# KiCad board MiniCamel.kicad_pcb (continued)
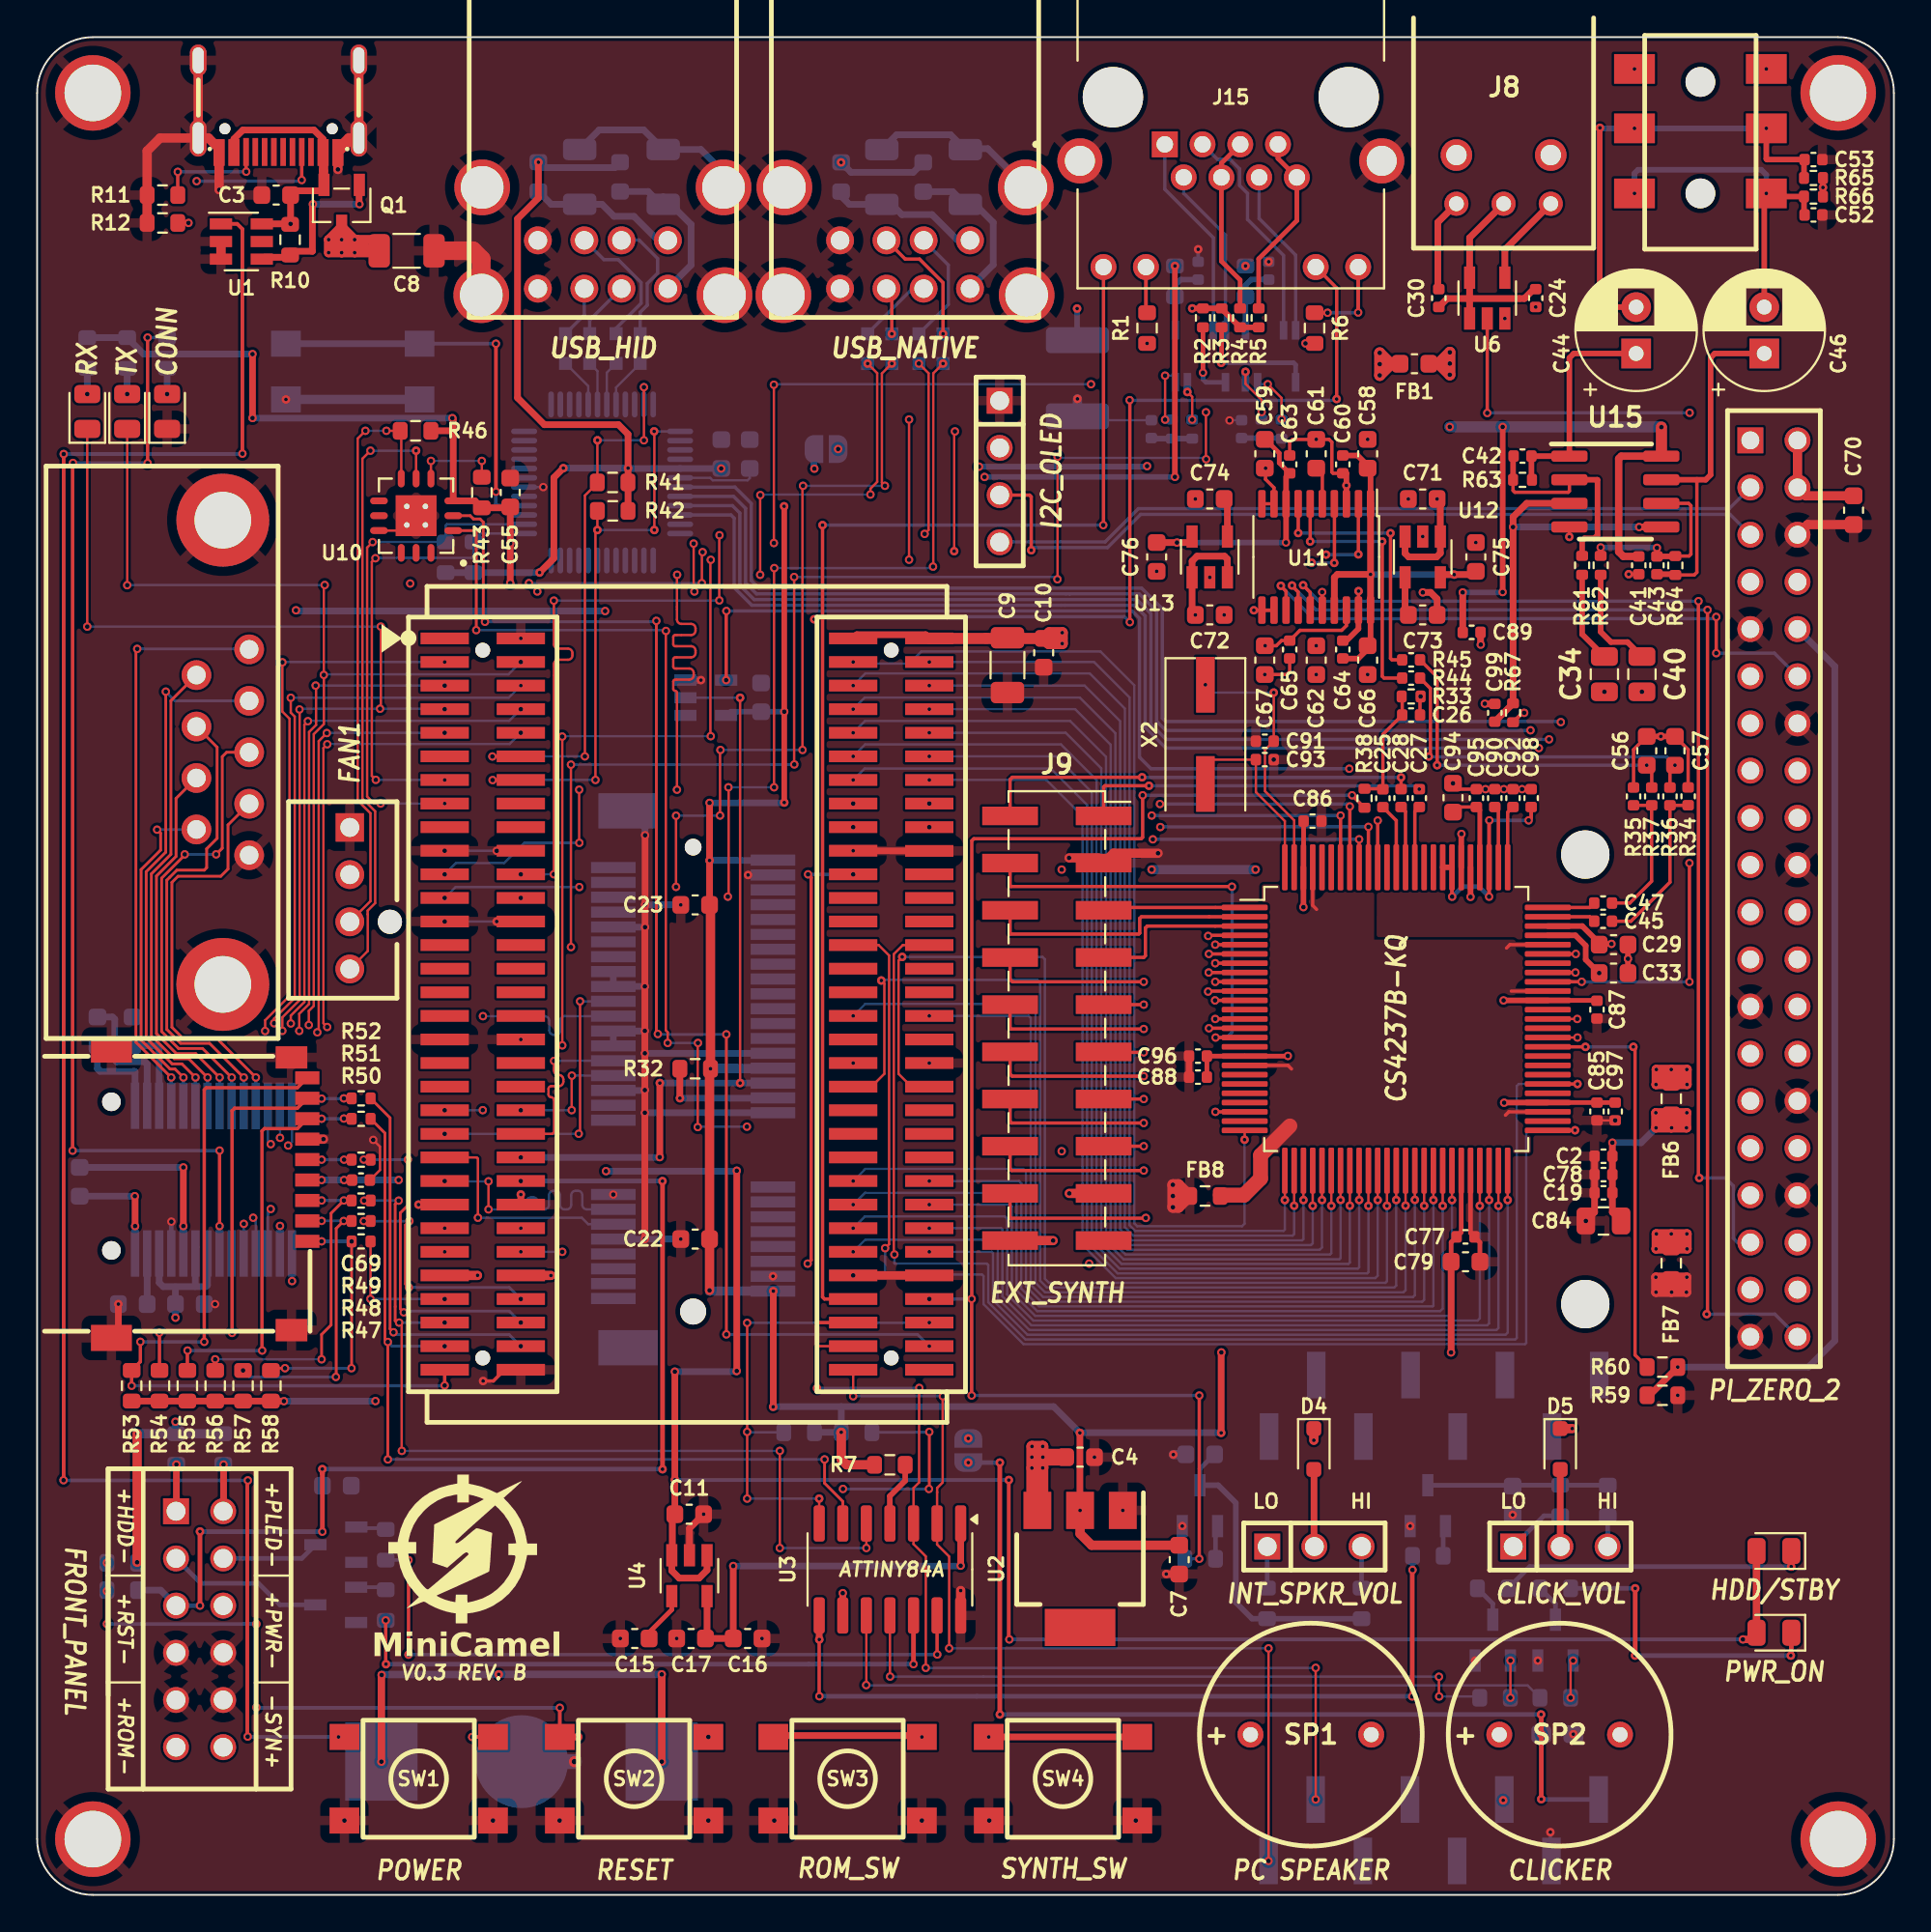
[diagram p0: board, top side]
## Footprints (pads in the part's own frame, mm; a bottom-side part is the same pattern mirrored in y, then rotated)
AMPHENOL_RJHSE-5384
  round 3.25 hole 3.25 unplated: (-6.35,0) (6.35,0)
  rect 1.398x1.398 hole 0.89: 1(3.556,2.54)
  round 1.398 hole 0.89: 2(2.54,4.318) 3(1.524,2.54) 4(0.508,4.318) 5(-0.508,2.54) 6(-1.524,4.318) 7(-2.54,2.54) 8(-3.556,4.318) 9(6.858,9.144) 10(4.572,9.144) 11(-4.572,9.144) 12(-6.858,9.144)
  round 2.43 hole 1.62: S1(-8.128,3.429) S2(8.128,3.429)
BT_MY-1220-03
  rect 3.9x4.2 smd: 1(-7.55,0) 1(7.55,0)
  round 5 smd: 2(0,0)
C_0402_1005Metric
  rrect 0.56x0.62 smd: 1(-0.48,0) 2(0.48,0)
C_0402_1005Metric_no_outline
  rrect 0.56x0.62 smd: 1(-0.48,0) 2(0.48,0)
C_0603_1608Metric
  rrect 0.9x0.95 smd: 1(-0.775,0) 2(0.775,0)
C_0603_1608Metric_no_outline
  rrect 0.9x0.95 smd: 1(-0.775,0) 2(0.775,0)
C_0603_1608Metric_Pad1.08x0.95mm_HandSolder
  rrect 1.075x0.95 smd: 1(-0.863,0) 2(0.863,0)
C_0805_2012Metric
  rrect 1x1.45 smd: 1(-0.95,0) 2(0.95,0)
C_1206_3216Metric
  rrect 1.15x1.8 smd: 1(-1.475,0) 2(1.475,0)
C_1812_4532Metric
  rrect 1.4x3.4 smd: 1(-2.05,0) 2(2.05,0)
CP_Radial_D6.3mm_P2.50mm
  rect 1.6x1.6 hole 0.8: 1(0,0)
  round 1.6 hole 0.8: 2(2.5,0)
D_0805_2012Metric
  rrect 0.975x1.4 smd: 1(-0.938,0) 2(0.938,0)
D_SOD-323F
  rrect 0.8x0.8 smd: 1(-1.1,0) 2(1.1,0)
Fuse_0603_1608Metric_no_outline
  rrect 0.875x0.95 smd: 1(-0.787,0) 2(0.787,0)
H_440_HOLE
  round 4.064 hole 3.048: 1(0,0)
J_AUDIO35_C95463
  round 1.6 hole 1.6 unplated: (0,2.5) (0,-3.5)
  rect 2.2x1.6 smd: R(-3.55,0) R(3.55,0) S(-3.55,3.2) S(3.55,3.2) T(-3.55,-3.5) T(3.55,-3.5)
J_CONN_RPI
  rect 1.397x1.397 hole 0.965: 1(-1.27,24.13)
  round 1.397 hole 0.965: 2(1.27,24.13) 3(-1.27,21.59) 4(1.27,21.59) 5(-1.27,19.05) 6(1.27,19.05) 7(-1.27,16.51) 8(1.27,16.51) 9(-1.27,13.97) 10(1.27,13.97) 11(-1.27,11.43) 12(1.27,11.43) 13(-1.27,8.89) 14(1.27,8.89) 15(-1.27,6.35) 16(1.27,6.35) 17(-1.27,3.81) 18(1.27,3.81) 19(-1.27,1.27) 20(1.27,1.27) 21(-1.27,-1.27) 22(1.27,-1.27) 23(-1.27,-3.81) 24(1.27,-3.81) 25(-1.27,-6.35) 26(1.27,-6.35) 27(-1.27,-8.89) 28(1.27,-8.89) 29(-1.27,-11.43) 30(1.27,-11.43) 31(-1.27,-13.97) 32(1.27,-13.97) 33(-1.27,-16.51) 34(1.27,-16.51) 35(-1.27,-19.05) 36(1.27,-19.05) 37(-1.27,-21.59) 38(1.27,-21.59) 39(-1.27,-24.13) 40(1.27,-24.13)
J_MINI_PCIE
  round 1.4 hole 1.4 unplated: (0,0)
  round 2.6 hole 2.6 unplated: (0.4,48.05) (24.6,48.05)
  round 0.9 hole 0.9 unplated: (25,0)
  rect 0.6x2.4 smd: 1(0.7,-4.3) 2(1.1,4.3) 3(1.5,-4.3) 4(1.9,4.3) 5(2.3,-4.3) 6(2.7,4.3) 7(3.1,-4.3) 8(3.5,4.3) 9(3.9,-4.3) 10(4.3,4.3) 11(4.7,-4.3) 12(5.1,4.3) 13(5.5,-4.3) 14(5.9,4.3) 15(6.3,-4.3) 16(6.7,4.3) 17(10.3,-4.3) 18(10.7,4.3) 19(11.1,-4.3) 20(11.5,4.3) 21(11.9,-4.3) 22(12.3,4.3) 23(12.7,-4.3) 24(13.1,4.3) 25(13.5,-4.3) 26(13.9,4.3) 27(14.3,-4.3) 28(14.7,4.3) 29(15.1,-4.3) 30(15.5,4.3) 31(15.9,-4.3) 32(16.3,4.3) 33(16.7,-4.3) 34(17.1,4.3) 35(17.5,-4.3) 36(17.9,4.3) 37(18.3,-4.3) 38(18.7,4.3) 39(19.1,-4.3) 40(19.5,4.3) 41(19.9,-4.3) 42(20.3,4.3) 43(20.7,-4.3) 44(21.1,4.3) 45(21.5,-4.3) 46(21.9,4.3) 47(22.3,-4.3) 48(22.7,4.3) 49(23.1,-4.3) 50(23.5,4.3) 51(23.9,-4.3) 52(24.3,4.3)
  rect 1.9x3.2 smd: S1(-1.95,-3.5) S2(26.95,-3.5)
J_MOLEX_47053-1000
  round 1.3 hole 1.3 unplated: (-5.08,-2.16)
  rect 1.53x1.53 hole 1.02: 1(0,0)
  round 1.55 hole 1.02: 2(-2.54,0) 3(-5.08,0) 4(-7.62,0)
J_USB_A_C12049
  round 1.5 hole 1: 1(-3.5,1.3) 2(-1,1.3) 3(1,1.3) 4(3.5,1.3) 5(-3.5,-1.3) 6(-1,-1.3) 7(1,-1.3) 8(3.5,-1.3)
  round 3 hole 2.3: S(-6.55,1.65) S(-6.5,-4.15) S(6.5,-4.15) S(6.55,1.65)
J_USB_TYPE-C-31-M-12
  round 0.6 hole 0.6 unplated: (-2.89,-1.07) (2.89,-1.07)
  rect 0.6x1.44 smd: A1/B12(-3.2,0.21) A4/B9(-2.4,0.21) A9/B4(2.4,0.21) A12/B1(3.2,0.21)
  rect 0.3x1.5 smd: A5(-1.25,0.18) A6(-0.25,0.18) A7(0.25,0.18) A8(1.25,0.18) B5(1.75,0.18) B6(0.75,0.18) B7(-0.75,0.18) B8(-1.75,0.18)
  oval 0.9x2 hole 0.6x1.7: S(-4.325,-0.57) S(4.325,-0.57)
  oval 0.9x1.7 hole 0.6x1.4: S(-4.325,-4.75) S(4.325,-4.75)
J_WEMOS_D1_MINI
  rect 1x2.51 smd: 1(8.895,9.79) 2(6.355,13.1) 3(3.815,9.79) 4(1.275,13.1) 5(-1.265,9.79) 6(-3.805,13.1) 7(-6.345,9.79) 8(-8.885,13.1) 9(-8.855,-9.745) 10(-6.315,-13.055) 11(-3.775,-9.745) 12(-1.235,-13.055) 13(1.305,-9.745) 14(3.845,-13.055) 15(6.385,-9.745) 16(8.925,-13.055)
L_EMI_FILTER_MCM2012B900GBE
  rect 0.7x0.7 smd: 1(-0.8,0.65) 2(0.8,0.65) 3(0.8,-0.65) 4(-0.8,-0.65)
MicroSD_TF01A
  round 1 hole 1 unplated: (-4.95,-3.3) (3.05,-3.3)
  rect 0.7x1.3 smd: 1(2.56,7.25) 2(1.46,7.25) 3(0.36,7.25) 4(-0.74,7.25) 5(-1.84,7.25) 6(-2.94,7.25) 7(-4.04,7.25) 8(-5.14,7.25) 9(-6.24,7.25)
  rect 1.4x2.2 smd: S(-7.76,-3.3) S(7.76,-3.3)
  rect 1.2x1.7 smd: S(-7.34,6.4) S(7.34,6.4)
P_CONN_01X03_SQUARE
  rect 1.397x1.397 hole 1.016: 1(-2.54,0)
  round 1.397 hole 1.016: 2(0,0) 3(2.54,0)
P_CONN_01X04_SQUARE
  rect 1.397x1.397 hole 1.016: 1(-3.81,0)
  round 1.397 hole 1.016: 2(-1.27,0) 3(1.27,0) 4(3.81,0)
P_CONN_PANEL
  rect 1.397x1.397 hole 1.016: 1(-3.81,-1.27)
  round 1.397 hole 1.016: 2(-1.27,-1.27) 3(1.27,-1.27) 4(3.81,-1.27) 5(6.35,-1.27) 6(8.89,-1.27) 7(8.89,1.27) 8(6.35,1.27) 9(3.81,1.27) 10(1.27,1.27) 11(-1.27,1.27) 12(-3.81,1.27)
P_CONN_SOM-128-EX
  round 0.8 hole 0.8 unplated: (0,-0.635) (0,-38.735) (22,-0.635) (22,-38.735)
  rect 2.6x0.63 smd: A1(-2.05,0) A2(2.05,0) A3(-2.05,-1.27) A4(2.05,-1.27) A5(-2.05,-2.54) A6(2.05,-2.54) A7(-2.05,-3.81) A8(2.05,-3.81) A9(-2.05,-5.08) A10(2.05,-5.08) A11(-2.05,-6.35) A12(2.05,-6.35) A13(-2.05,-7.62) A14(2.05,-7.62) A15(-2.05,-8.89) A16(2.05,-8.89) A17(-2.05,-10.16) A18(2.05,-10.16) A19(-2.05,-11.43) A20(2.05,-11.43) A21(-2.05,-12.7) A22(2.05,-12.7) A23(-2.05,-13.97) A24(2.05,-13.97) A25(-2.05,-15.24) A26(2.05,-15.24) A27(-2.05,-16.51) A28(2.05,-16.51) A29(-2.05,-17.78) A30(2.05,-17.78) A31(-2.05,-19.05) A32(2.05,-19.05) A33(-2.05,-20.32) A34(2.05,-20.32) A35(-2.05,-21.59) A36(2.05,-21.59) A37(-2.05,-22.86) A38(2.05,-22.86) A39(-2.05,-24.13) A40(2.05,-24.13) A41(-2.05,-25.4) A42(2.05,-25.4) A43(-2.05,-26.67) A44(2.05,-26.67) A45(-2.05,-27.94) A46(2.05,-27.94) A47(-2.05,-29.21) A48(2.05,-29.21) A49(-2.05,-30.48) A50(2.05,-30.48) A51(-2.05,-31.75) A52(2.05,-31.75) A53(-2.05,-33.02) A54(2.05,-33.02) A55(-2.05,-34.29) A56(2.05,-34.29) A57(-2.05,-35.56) A58(2.05,-35.56) A59(-2.05,-36.83) A60(2.05,-36.83) A61(-2.05,-38.1) A62(2.05,-38.1) A63(-2.05,-39.37) A64(2.05,-39.37) B1(19.95,0) B2(24.05,0) B3(19.95,-1.27) B4(24.05,-1.27) B5(19.95,-2.54) B6(24.05,-2.54) B7(19.95,-3.81) B8(24.05,-3.81) B9(19.95,-5.08) B10(24.05,-5.08) B11(19.95,-6.35) B12(24.05,-6.35) B13(19.95,-7.62) B14(24.05,-7.62) B15(19.95,-8.89) B16(24.05,-8.89) B17(19.95,-10.16) B18(24.05,-10.16) B19(19.95,-11.43) B20(24.05,-11.44) B21(19.95,-12.7) B22(24.05,-12.7) B23(19.95,-13.97) B24(24.05,-13.97) B25(19.95,-15.24) B26(24.05,-15.24) B27(19.95,-16.51) B28(24.05,-16.51) B29(19.95,-17.78) B30(24.05,-17.78) B31(19.95,-19.05) B32(24.05,-19.05) B33(19.95,-20.32) B34(24.05,-20.32) B35(19.95,-21.59) B36(24.05,-21.59) B37(19.95,-22.86) B38(24.05,-22.86) B39(19.95,-24.13) B40(24.05,-24.13) B41(19.95,-25.4) B42(24.05,-25.4) B43(19.95,-26.67) B44(24.05,-26.67) B45(19.95,-27.94) B46(24.05,-27.94) B47(19.95,-29.21) B48(24.05,-29.21) B49(19.95,-30.48) B50(24.05,-30.48) B51(19.95,-31.75) B52(24.05,-31.75) B53(19.95,-33.02) B54(24.05,-33.02) B55(19.95,-34.29) B56(24.05,-34.29) B57(19.95,-35.56) B58(24.05,-35.56) B59(19.95,-36.83) B60(24.05,-36.83) B61(19.95,-38.1) B62(24.05,-38.1) B63(19.95,-39.37) B64(24.05,-39.37)
P_DE9M
  round 1.6 hole 1: 1(0,0) 2(-2.77,0) 3(-5.54,0) 4(-8.31,0) 5(-11.08,0) 6(-1.385,2.84) 7(-4.155,2.84) 8(-6.925,2.84) 9(-9.695,2.84)
  round 5 hole 3.05: 10(-18.035,1.42) 11(6.955,1.42)
PinSocket_2x10_P2.54mm_Vertical_SMD
  rect 3x1 smd: 1(2.52,11.43) 2(-2.52,11.43) 3(2.52,8.89) 4(-2.52,8.89) 5(2.52,6.35) 6(-2.52,6.35) 7(2.52,3.81) 8(-2.52,3.81) 9(2.52,1.27) 10(-2.52,1.27) 11(2.52,-1.27) 12(-2.52,-1.27) 13(2.52,-3.81) 14(-2.52,-3.81) 15(2.52,-6.35) 16(-2.52,-6.35) 17(2.52,-8.89) 18(-2.52,-8.89) 19(2.52,-11.43) 20(-2.52,-11.43)
Q_BJT_SOT-23-3
  rect 1.2x0.6 smd: 1(1.1,-0.95) 2(1.1,0.95) 3(-1.1,0)
Q_PFET_ENH_SOT-23-3
  rect 1.2x0.6 smd: 1(1.1,-0.95) 2(-1.1,0) 3(1.1,0.95)
R_0402_1005Metric
  rrect 0.54x0.64 smd: 1(-0.51,0) 2(0.51,0)
R_0402_1005Metric_no_outline
  rrect 0.54x0.64 smd: 1(-0.51,0) 2(0.51,0)
R_0603_1608Metric
  rrect 0.8x0.95 smd: 1(-0.825,0) 2(0.825,0)
R_0603_1608Metric_no_outline
  rrect 0.8x0.95 smd: 1(-0.825,0) 2(0.825,0)
SOIC-14_3.9x8.7mm_P1.27mm
  rrect 1.95x0.6 smd: 1(-2.475,3.81) 2(-2.475,2.54) 3(-2.475,1.27) 4(-2.475,0) 5(-2.475,-1.27) 6(-2.475,-2.54) 7(-2.475,-3.81) 8(2.475,-3.81) 9(2.475,-2.54) 10(2.475,-1.27) 11(2.475,0) 12(2.475,1.27) 13(2.475,2.54) 14(2.475,3.81)
SolderJumper-2_P1.3mm_Open_RoundedPad1.0x1.5mm
  custom 1x1.5 smd: 1(-0.65,0) 2(0.65,0)
SP
  round 1.397 hole 0.813: 1(-3.251,0) 2(3.251,0)
SW_B3FS-1010
  rect 1.6x1.4 smd: 1(-4,-2.25) 1(4,-2.25) 2(-4,2.25) 2(4,2.25)
SW_SPST_TL3305A
  rect 1.6x1.4 smd: 1(-3.6,1.5) 1(3.6,1.5) 2(-3.6,-1.5) 2(3.6,-1.5)
T_ALT3232M-151-T001
  rect 1x0.41 smd: 1(-1.4,-1.35) 2(-1.4,-0.7) 3(-1.4,1.35) 4(1.4,1.35) 5(1.4,0.7) 6(1.4,-1.35)
TOSLINK_ZGY133T10
  round 1.3 hole 0.8: 1(2.54,0) 2(0,0) 3(-2.54,0)
  round 1.7 hole 1.1: 4(2.54,2.62) 5(-2.54,2.62)
TSSOP-20_4.4x6.5mm_P0.65mm
  rrect 1.475x0.4 smd: 1(-2.862,2.925) 2(-2.862,2.275) 3(-2.862,1.625) 4(-2.862,0.975) 5(-2.862,0.325) 6(-2.862,-0.325) 7(-2.862,-0.975) 8(-2.862,-1.625) 9(-2.862,-2.275) 10(-2.862,-2.925) 11(2.862,-2.925) 12(2.862,-2.275) 13(2.862,-1.625) 14(2.862,-0.975) 15(2.862,-0.325) 16(2.862,0.325) 17(2.862,0.975) 18(2.862,1.625) 19(2.862,2.275) 20(2.862,2.925)
U_EMC2303
  oval 0.95x0.37 smd: 1(-2,0.8) 2(-2,0) 3(-2,-0.8) 7(2,-0.8) 8(2,0) 9(2,0.8)
  oval 0.37x0.95 smd: 4(-0.8,-2) 5(0,-2) 6(0.8,-2) 10(0.8,2) 11(0,2) 12(-0.8,2)
  round 0.5 hole 0.3: 13(-0.5,0.5) 13(-0.5,-0.5) 13(0.5,0.5) 13(0.5,-0.5)
  rect 2.2x2.2 smd: 13(0,0)
U_QFP-12x12_14x14_Pitch0.5mm
  oval 1.4x0.3 smd: 1(-4.2,2.75) 2(-4.2,2.25) 3(-4.2,1.75) 4(-4.2,1.25) 5(-4.2,0.75) 6(-4.2,0.25) 7(-4.2,-0.25) 8(-4.2,-0.75) 9(-4.2,-1.25) 10(-4.2,-1.75) 11(-4.2,-2.25) 12(-4.2,-2.75) 25(4.2,-2.75) 26(4.2,-2.25) 27(4.2,-1.75) 28(4.2,-1.25) 29(4.2,-0.75) 30(4.2,-0.25) 31(4.2,0.25) 32(4.2,0.75) 33(4.2,1.25) 34(4.2,1.75) 35(4.2,2.25) 36(4.2,2.75)
  oval 0.3x1.4 smd: 13(-2.75,-4.2) 14(-2.25,-4.2) 15(-1.75,-4.2) 16(-1.25,-4.2) 17(-0.75,-4.2) 18(-0.25,-4.2) 19(0.25,-4.2) 20(0.75,-4.2) 21(1.25,-4.2) 22(1.75,-4.2) 23(2.25,-4.2) 24(2.75,-4.2) 37(2.75,4.2) 38(2.25,4.2) 39(1.75,4.2) 40(1.25,4.2) 41(0.75,4.2) 42(0.25,4.2) 43(-0.25,4.2) 44(-0.75,4.2) 45(-1.25,4.2) 46(-1.75,4.2) 47(-2.25,4.2) 48(-2.75,4.2)
U_SOIC-8_3.9x4.9mm_P1.27mm
  rrect 1.95x0.6 smd: 1(-2.475,1.905) 2(-2.475,0.635) 3(-2.475,-0.635) 4(-2.475,-1.905) 5(2.475,-1.905) 6(2.475,-0.635) 7(2.475,0.635) 8(2.475,1.905)
U_SOT-23-5
  rect 1.2x0.6 smd: 1(-1.1,0.95) 2(-1.1,0) 3(-1.1,-0.95) 4(1.1,-0.95) 5(1.1,0.95)
U_SOT-223-3_NOTAB
  rect 2x3.8 smd: (3.15,0)
  rect 2x1.5 smd: 1(-3.15,2.3) 2(-3.15,0) 3(-3.15,-2.3)
U_SSOP-28_5.3x10.2mm_P0.65mm_HandSoldering
  rect 2.5x0.45 smd: 1(-3.975,4.225) 2(-3.975,3.575) 3(-3.975,2.925) 4(-3.975,2.275) 5(-3.975,1.625) 6(-3.975,0.975) 7(-3.975,0.325) 8(-3.975,-0.325) 9(-3.975,-0.975) 10(-3.975,-1.625) 11(-3.975,-2.275) 12(-3.975,-2.925) 13(-3.975,-3.575) 14(-3.975,-4.225) 15(3.975,-4.225) 16(3.975,-3.575) 17(3.975,-2.925) 18(3.975,-2.275) 19(3.975,-1.625) 20(3.975,-0.975) 21(3.975,-0.325) 22(3.975,0.325) 23(3.975,0.975) 24(3.975,1.625) 25(3.975,2.275) 26(3.975,2.925) 27(3.975,3.575) 28(3.975,4.225)
U_TQFP-100_14x14mm_P0.5mm_HandSoldering
  rrect 2.475x0.3 smd: 1(-8.162,6) 2(-8.162,5.5) 3(-8.162,5) 4(-8.162,4.5) 5(-8.162,4) 6(-8.162,3.5) 7(-8.162,3) 8(-8.162,2.5) 9(-8.162,2) 10(-8.162,1.5) 11(-8.162,1) 12(-8.162,0.5) 13(-8.162,0) 14(-8.162,-0.5) 15(-8.162,-1) 16(-8.162,-1.5) 17(-8.162,-2) 18(-8.162,-2.5) 19(-8.162,-3) 20(-8.162,-3.5) 21(-8.162,-4) 22(-8.162,-4.5) 23(-8.162,-5) 24(-8.162,-5.5) 25(-8.162,-6) 51(8.162,-6) 52(8.162,-5.5) 53(8.162,-5) 54(8.162,-4.5) 55(8.162,-4) 56(8.162,-3.5) 57(8.162,-3) 58(8.162,-2.5) 59(8.162,-2) 60(8.162,-1.5) 61(8.162,-1) 62(8.162,-0.5) 63(8.162,0) 64(8.162,0.5) 65(8.162,1) 66(8.162,1.5) 67(8.162,2) 68(8.162,2.5) 69(8.162,3) 70(8.162,3.5) 71(8.162,4) 72(8.162,4.5) 73(8.162,5) 74(8.162,5.5) 75(8.162,6)
  rrect 0.3x2.475 smd: 26(-6,-8.162) 27(-5.5,-8.162) 28(-5,-8.162) 29(-4.5,-8.162) 30(-4,-8.162) 31(-3.5,-8.162) 32(-3,-8.162) 33(-2.5,-8.162) 34(-2,-8.162) 35(-1.5,-8.162) 36(-1,-8.162) 37(-0.5,-8.162) 38(0,-8.162) 39(0.5,-8.162) 40(1,-8.162) 41(1.5,-8.162) 42(2,-8.162) 43(2.5,-8.162) 44(3,-8.162) 45(3.5,-8.162) 46(4,-8.162) 47(4.5,-8.162) 48(5,-8.162) 49(5.5,-8.162) 50(6,-8.162) 76(6,8.162) 77(5.5,8.162) 78(5,8.162) 79(4.5,8.162) 80(4,8.162) 81(3.5,8.162) 82(3,8.162) 83(2.5,8.162) 84(2,8.162) 85(1.5,8.162) 86(1,8.162) 87(0.5,8.162) 88(0,8.162) 89(-0.5,8.162) 90(-1,8.162) 91(-1.5,8.162) 92(-2,8.162) 93(-2.5,8.162) 94(-3,8.162) 95(-3.5,8.162) 96(-4,8.162) 97(-4.5,8.162) 98(-5,8.162) 99(-5.5,8.162) 100(-6,8.162)
U_TSOT-23-6
  rect 1.2x0.6 smd: 1(-1.1,0.95) 2(-1.1,0) 3(-1.1,-0.95) 4(1.1,-0.95) 5(1.1,0) 6(1.1,0.95)
X_Crystal_SMD_HC49S-MINI
  rect 3x1 smd: 1(-2.67,0) 2(2.67,0)

## Nets
+1.8V_LAN: FB4.1 FB5.1 P1.A56
+3.3V: C7.1 C22.1 C23.1 C38.1 C55.1 C69.1 C77.1 C79.1 J4.2 J4.24 J4.52 J13.4 R1.2 R6.1 R7.2 R16.2 R18.2 R24.1 R25.1 R32.2 R43.2 R46.1 R53.1 R54.1 R55.1 R56.1 R57.1 R58.1 U2.2 U8.5 U10.3 U14.45
+3.3V_PCM_A: C59.1 C63.1 C76.1 U11.8 U13.5
+3.3V_PCM_D: C58.1 C60.1 C64.1 C66.1 C75.1 U11.1 U11.17 U11.20 U12.5
+3.3VSB: C16.1 C17.2 U3.1 U4.5
+5VA: C41.2 C89.2 FB1.2 U14.81 U15.8
+5VFILT: C85.1 C86.1 C87.1 C88.1 C96.2 C97.2 FB6.2 U14.17 U14.54 U14.65 U14.98
/3.3V_MIDI_OUT: J12.10 R59.1 R60.2
/V86_SCL: P1.B62 R18.1 U3.9 U10.2
/V86_SDA: P1.B60 R16.1 U3.7 U10.1
/VBATT: BT1.1 P1.A55
AGND: C24.1 C26.2 C29.1 C30.2 C33.1 C41.1 C56.1 C57.1 C58.2 C59.2 C60.2 C61.1 C63.2 C64.2 C65.1 C66.2 C67.1 C71.2 C72.2 C73.2 C74.2 C75.2 C76.2 C89.1 C90.1 C92.1 C94.2 C95.2 C98.1 C99.2 FB7.2 J2.S J8.3 J9.20 R33.2 R34.1 R35.1 R65.2 R66.2 U6.3 U11.3 U11.9 U11.10 U11.11 U11.12 U11.16 U11.19 U12.2 U13.2 U14.80 U15.4
GND: BT1.2 C1.1 C2.1 C3.1 C4.2 C5.2 C6.2 C7.2 C8.2 C9.2 C10.2 C11.2 C13.2 C14.2 C15.2 C16.2 C17.1 C19.1 C20.2 C21.2 C22.2 C23.2 C31.2 C32.2 C35.2 C36.2 C37.1 C38.2 C39.1 C52.2 C53.2 C55.2 C68.2 C69.2 C70.2 C77.2 C78.1 C79.2 C80.2 C81.2 C82.2 C83.2 C84.1 C85.2 C86.2 C87.2 C88.2 C91.1 C93.1 C96.1 C97.1 D1.1 FB7.1 FB8.1 H1.1 H2.1 H3.1 H4.1 J1.A1/B12 J1.A12/B1 J1.S J3.4 J3.5 J3.8 J3.9 J4.4 J4.9 J4.15 J4.18 J4.21 J4.26 J4.27 J4.29 J4.34 J4.35 J4.37 J4.40 J4.43 J4.50 J4.S1 J4.S2 J5.5 J5.10 J5.11 J6.4 J6.8 J6.S J7.4 J7.8 J7.S J9.3 J11.10 J12.6 J12.9 J12.14 J12.20 J12.25 J12.30 J12.34 J12.39 J13.6 J13.S J14.1 J15.S1 J15.S2 P1.A2 P1.A19 P1.A20 P1.A25 P1.A26 P1.A35 P1.A36 P1.A49 P1.A50 P1.A64 P1.B19 P1.B20 P1.B37 P1.B38 P1.B55 P1.B56 P2.1 Q2.2 Q3.2 Q4.2 Q5.2 Q6.2 Q7.2 R11.2 R12.2 R59.2 SW1.1 SW2.1 SW3.1 SW4.1 SW5.2 U1.2 U1.3 U2.1 U3.14 U4.2 U5.25 U8.3 U9.18 U10.9 U10.13 U14.46
SGND: FB8.2 U14.18 U14.53 U14.66 U14.71 U14.97
VBUS: C3.2 C11.1 D6.2 D7.2 J1.A4/B9 J1.A9/B4 Q1.3 R10.2 U1.6 U4.1 U4.3
VCC: C2.2 C4.1 C8.1 C9.1 C10.1 C14.1 C19.2 C24.2 C30.1 C70.1 C71.1 C72.1 C78.2 C84.2 D4.1 D5.1 F1.1 F3.1 FB1.1 FB6.1 J8.2 J9.17 J12.2 J12.4 J14.2 JP3.1 JP6.1 P1.B1 P1.B2 P2.2 Q1.2 R8.1 R13.1 R19.1 SP1.1 SP2.1 U2.3 U5.22 U5.23 U5.26 U6.1 U6.5 U12.1 U12.3 U13.1 U13.3
/_LAN_RX+: J15.3 T3.5
/_LAN_RX-: J15.6 T3.4
/_LAN_TX+: J15.1 T2.5
/_LAN_TX-: J15.2 T2.4
/_RESET: R7.1 U3.4
/A0: P1.B3 U14.25
/A1: P1.B4 U14.26
/A2: P1.B5 U14.27
/A3: P1.B6 U14.28
/A4: P1.B7 U14.29
/A5: P1.B8 U14.30
/A6: P1.B9 U14.31
/A7: P1.B10 U14.32
/A8: P1.B11 U14.33
/A9: P1.B12 U14.34
/A10: P1.B13 U14.35
/A11: P1.B14 U14.36
/A12: P1.B15 U14.94
/A13: P1.B16 U14.93
/A14: P1.B17 U14.92
/A15: P1.B18 U14.91
/AEN: P1.B33 U14.39
/AUDIO_VREF: C99.1 R67.1 U15.3 U15.5
/CTS1: P1.A10 U5.15
/D0: P1.B47 U14.41
/D1: P1.B48 U14.42
/D2: P1.B49 U14.43
/D3: P1.B50 U14.44
/D4: P1.B51 U14.47
/D5: P1.B52 U14.48
/D6: P1.B53 U14.49
/D7: P1.B54 U14.50
/DCD1: P1.A3 U5.19
/DRQ1: P1.B27 U14.51
/DSR1: P1.A9 U5.16
/DTR1: P1.A8 U5.12
/FM_A0: J9.18 U14.14
/FM_A1: J9.16 U14.13
/FM_D0: J9.12 U14.8
/FM_D1: J9.11 U14.7
/FM_D2: J9.10 U14.6
/FM_D3: J9.9 U14.5
/FM_D4: J9.8 U14.4
/FM_D5: J9.7 U14.3
/FM_D6: J9.6 U14.2
/FM_D7: J9.5 U14.1
/FM_SYNTH_L: C27.2 J9.1
/FM_SYNTH_R: C28.2 J9.2
/HDD_LED+: J3.1 R13.2
/HDD_LED-: J3.2 Q3.3
/HID_VCC: C37.2 F2.1 F4.1 JP3.2 R39.2 R40.2 R41.2 R42.2 U9.41
/I2S_BCLK: J12.12 U11.13
/I2S_DATA: J12.40 U11.14
/I2S_LRCLK: J12.35 U11.15
/IOCHRDY: P1.B34 U14.40
/IRQ7: P1.B21 U14.23
/IRQ11: P1.B23
/IRQ12: P1.B24
/IRQ15: P1.B25
/JAB1: U9.43 U14.70
/JAB2: U9.44 U14.61
/JACX: U9.45 U14.68
/JACY: U9.46 U14.63
/KBCLK: P1.A12 R41.1 U9.35
/KBDATA: P1.A14 R42.1 U9.37
/LAN_RX+: P1.A54 R69.1 T2.1
/LAN_RX-: P1.A52 R71.1 T2.2
/LAN_TX+: P1.A53 R70.1 T3.1
/LAN_TX-: P1.A51 R72.1 T3.2
/LINE_OUT_CS_L: C29.2 C40.1 U14.73